# Altium PCB PCB1.PcbDoc (part 2 of 6) (continued)
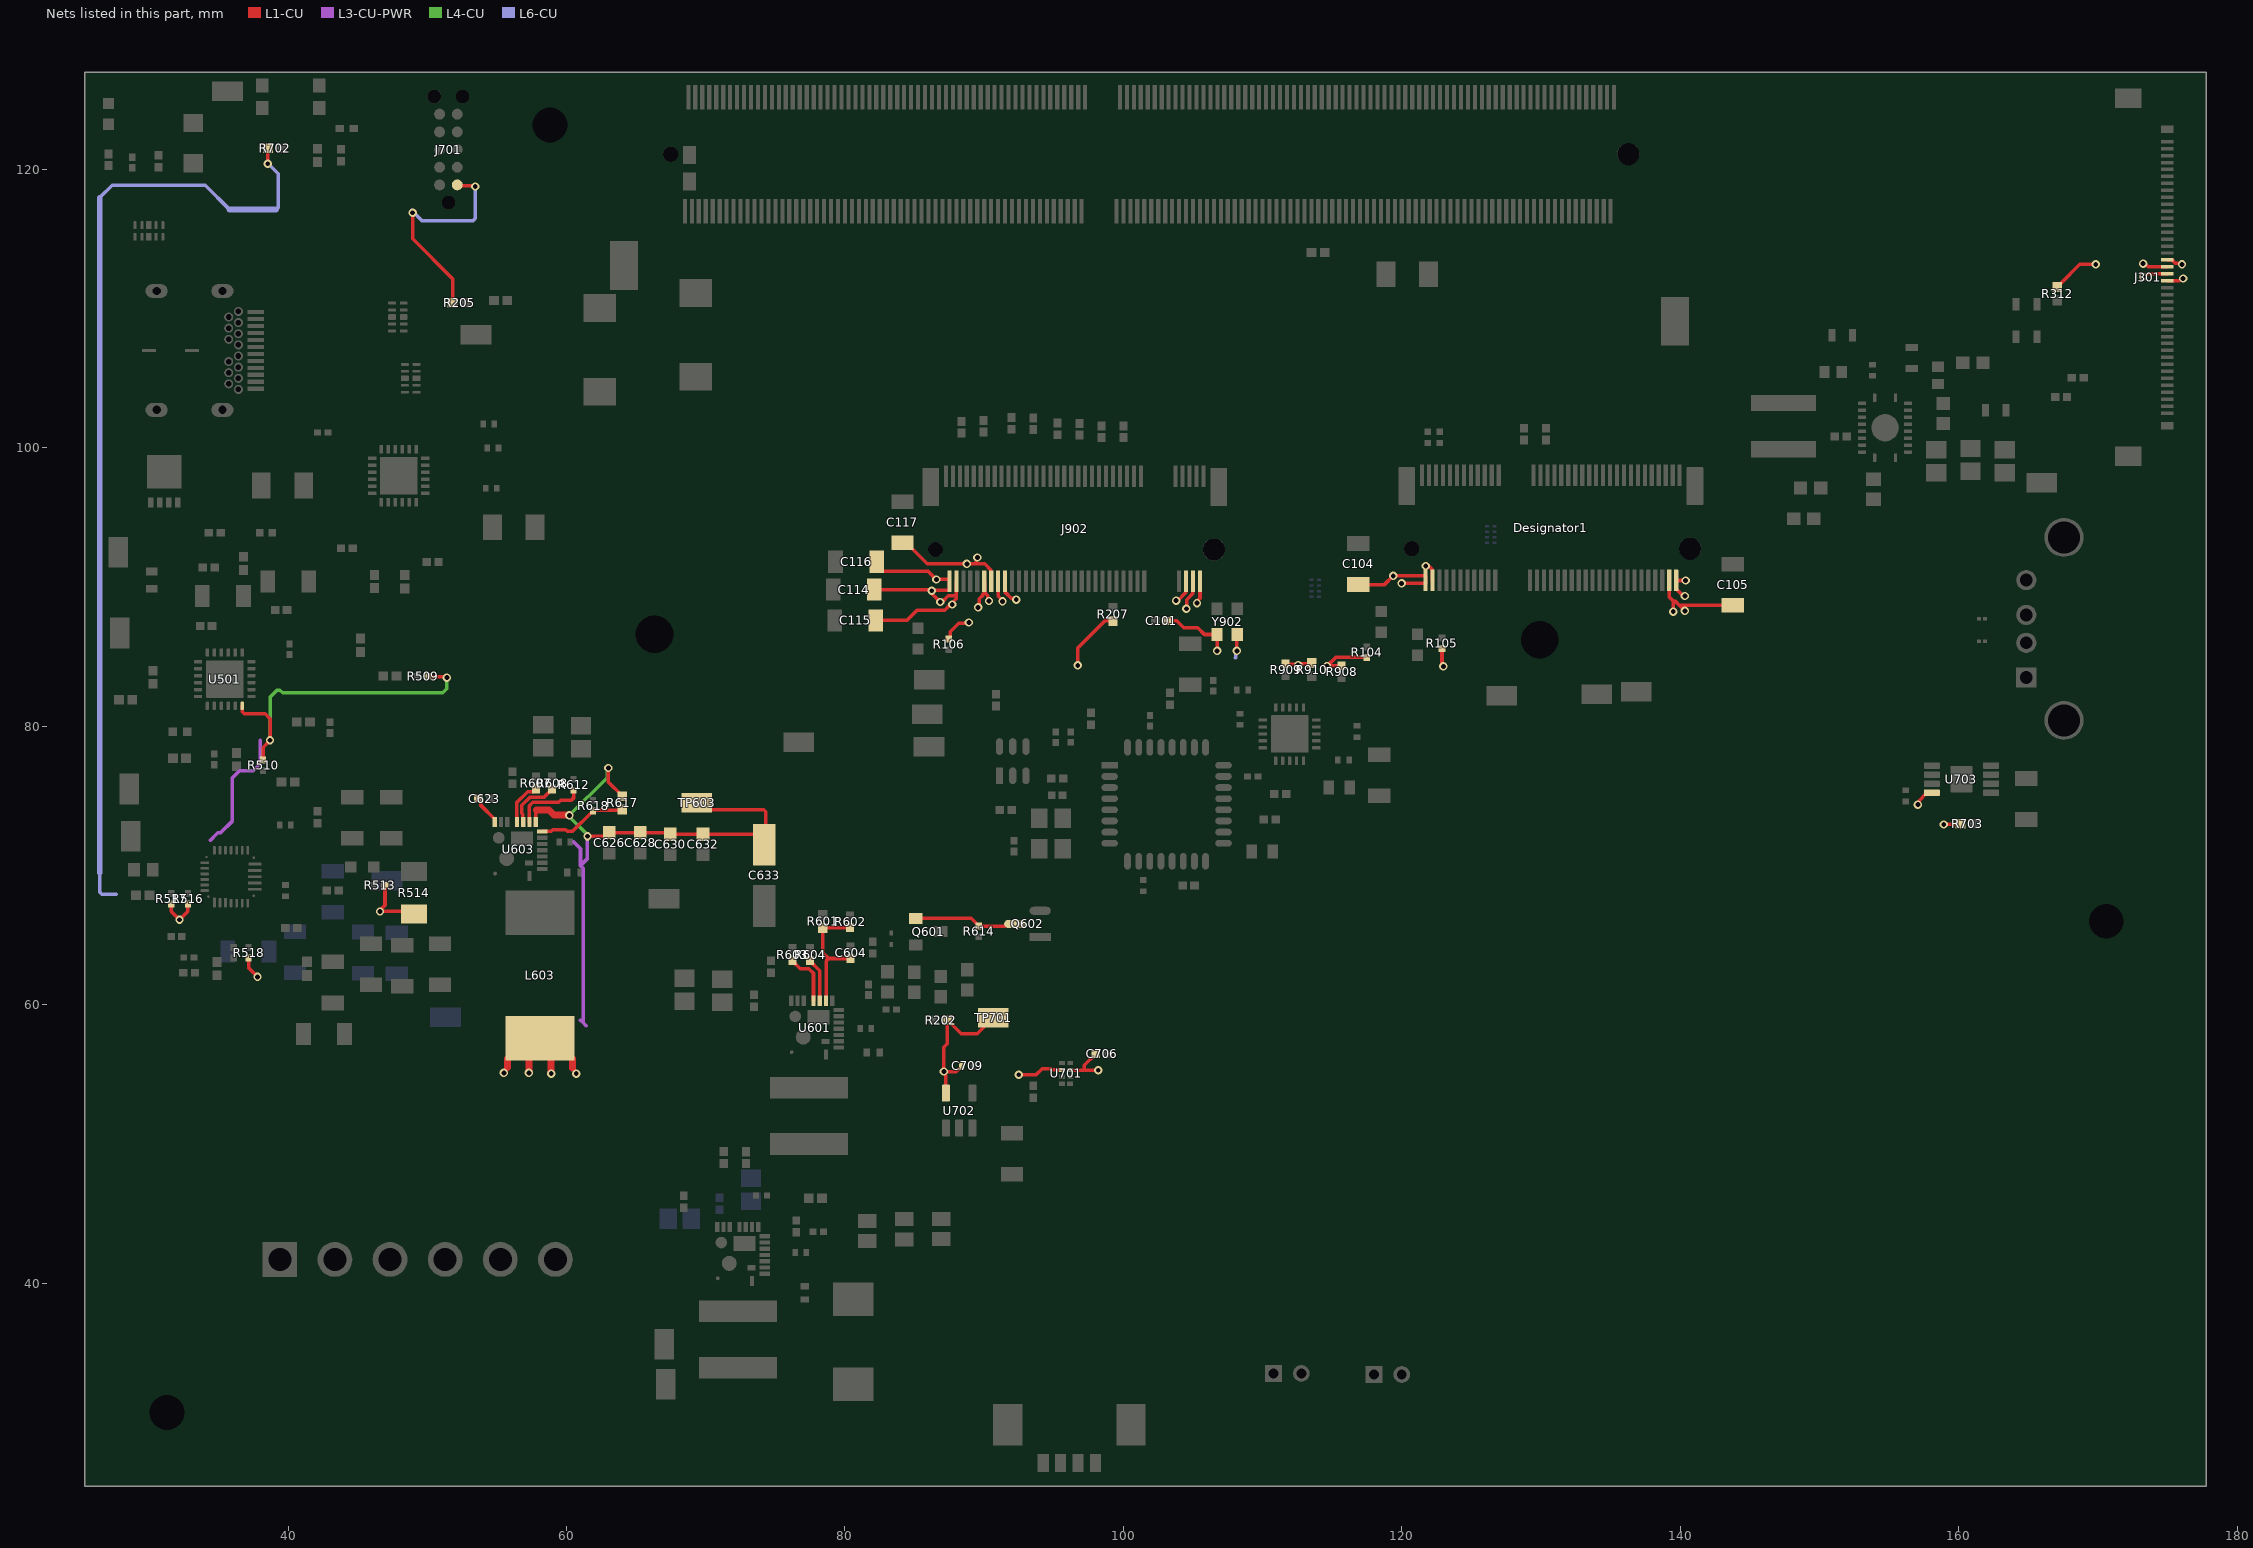
[diagram p8: the nets of this part, all layers, seen from the top]
## Part data (continued)
Q602: library part CMP-07173-000101-1, "MOSFET N-CH 50V 220MA SOT-23", Case/Package=SOT-23, Continuous Drain Current (ID)=220mA, Drain To Source Breakdown Voltage=50V, Drain To Source Resistance=3.5R, Gate to Source Voltage (Vgs)=20V, Input Capacitance=27pF, Max Operating Temperature=150°C, Max Power Dissipation=360mW, Min Operating Temperature=-55°C, On-State Resistance=6R, Package Quantity=1, Threshold Voltage=1.3V, Contact Plating=Tin, Current Rating=220mA, Drain to Source Voltage (Vdss)=50V, Dual Supply Voltage=50V, Element Configuration=Single, Fall Time=9ns, Height=0.93mm, Lead Free="Lead Free", Length=2.92mm, Mount="Surface Mount", Nominal Vgs=1.3V, Number of Elements=1, Number of Pins=3, Packaging="Tape and Reel", Power Dissipation=360mW, Radiation Hardening=No, Rds On Max=3.5R, REACH SVHC="No SVHC", Rise Time=9ns, Termination=SMD/SMT, Turn-Off Delay Time=20ns, Turn-On Delay Time=2.5ns, Voltage Rating (DC)=50V, Weight=0.03g, Width=1.3mm
R101 R102 R611 R612: library part CMP-2000-07451-1, "Chip Resistor, 0 Ohm, 0.1 W, -55 to 155 degC, 0402 (1005 Metric), RoHS, Tape and Reel", Case Code (Imperial)=0402, Case Code (Metric)=1005, Manufacturer=Panasonic, Max Operating Temperature=155degC, Max Power Dissipation=100mW, Min Operating Temperature=-55degC, Package Description="2-Pin Surface Mount Device, Body 1 x 0.5 mm", Package Quantity=1, Package Reference=402, Resistance=0mOhm, Temperature Coefficient=600ppm/��C, Tolerance=5%, Voltage Rating=50V, Case/Package=0402, Composition=ThickFilm, Contact Plating=Tin, Datasheet URL=https://industrial.panasonic.com/cdbs/www-data/pdf/RDA0000/AOA0000C301.pdf, Datasheet Version=03/2015, Depth=0.5mm, Height=0.35mm, Lead Free=LeadFree, Length=1mm, Manufacturer URL=http://www.panasonic.com/, Military Standard=Not, Mount=SurfaceMount, Mounting Technology=SurfaceMount, Number of Terminations=2, Packaging=TapeandReel, Power Rating=100mW, Radiation Hardening=No, REACH SVHC=NoSVHC, RoHSCompliant=True, Termination=SMD/SMT, Voltage Rating (DC)=50V, Width=0.02inch
R104 R105 R106: library part CMP-2002-04898-2, "Thick Film Chip Resistors 0402 200Ω 0.0625W 1% 100ppm/°C", Case Code (Imperial)=0402, Case Code (Metric)=1005, Max Operating Temperature=125°C, Max Power Dissipation=63mW, Min Operating Temperature=-55°C, Package Quantity=10000, Power Rating=62.5mW, Temperature Coefficient=100ppm/°C, Tolerance=1%, Voltage Rating=50V, Case/Package=0402, Composition="Thick Film", Contact Plating=Tin, Depth=0.5mm, Height=0.016inch, Length=1mm, Military Standard=Not, Mount="Surface Mount", Number of Terminations=2, Packaging="Tape and Reel", Radiation Hardening=No, Resistance=200R, Termination=SMD/SMT, Thickness=356um, Width=0.5mm
R201: library part CMP-26527-000122-1, "RES 0 OHM JUMPER 1/4W 0603", Case Code (Imperial)=0603, Case Code (Metric)=1608, Max Operating Temperature=155°C, Min Operating Temperature=-55°C, Package Quantity=5000, Resistance=0mR, Case/Package=0603, Height=0.021inch, Length=0.061inch, Mount="Surface Mount", Number of Terminations=2, Packaging="Tape and Reel", Radiation Hardening=No, RoHS Compliant=Yes, Termination=Wraparound, Width=0.031inch
R202 R205 R312 R404 R407 R501 R502 R512 R515 R702 R703 R910: library part CMP-2002-07913-2, "RES 100K OHM 5% 1/16W 0402", Case Code (Imperial)=0402, Case Code (Metric)=1005, Max Operating Temperature=155°C, Max Power Dissipation=63mW, Min Operating Temperature=-55°C, Package Quantity=1, Resistance=100kR, Resistance Tolerance=5%, Resistor Type="Thick Film", Temperature Coefficient=100ppm/°C, Voltage Rating=50V, Case/Package=0402, Construction=Rectangular, Depth=0.5mm, Features="Moisture Resistant", Height=0.016inch, Lead Free="Lead Free", Length=1mm, Military Standard=Not, Number of Terminations=2, Packaging="Tape and Reel", Power Rating=63mW, RoHS Compliant=Yes, Series=RC, Size Code=0402, Termination=SMD/SMT, Tolerance=5%, Width=0.02inch
R203 R204 R206 R402 R506 R507 R508 R521 R701: library part CMP-2002-07344-1, Manufacturer="Yageo / Phycomp", Part Number=RC0402FR-07100RL
R207: library part CMP-2002-07701-1, Manufacturer="Yageo / Phycomp", Part Number=RC0402FR-0747KL
R208 R403 R408 R514: library part CMP-2100-03616-1, "Chip Resistor, 1 KOhm, +/- 1%, 0.25 W, -55 to 155 degC, 1206 (3216 Metric), RoHS, Tape and Reel", Case Code (Imperial)=1206, Case Code (Metric)=3216, Manufacturer="Vishay Semiconductor", Max Operating Temperature=155degC, Max Power Dissipation=250mW, Min Operating Temperature=-55degC, Package Description="2-Pin Surface Mount Device, Body 3.15 x 1.6 mm", Package Quantity=10, Package Reference=1206.0, Resistance=1KOhm, Temperature Coefficient=100ppm/degreesC, Tolerance=1%, Voltage Rating=200V, Case/Package=1206, Composition=ThickFilm, Contact Plating=Tin, Datasheet URL=http://www.farnell.com/datasheets/1720486.pdf, Datasheet Version=41061.0, Depth=1.6mm, Height=0.55mm, Lead Free=LeadFree, Length=3.2mm, Manufacturer URL=http://www.vishay.com/, Military Standard=Not, Mount=SurfaceMount, Number of Pins=2, Number of Terminations=2, Packaging=TapeandReel, Power Rating=250mW, Radiation Hardening=No, REACH SVHC=Unknown, RoHSCompliant=true, Termination=SMD/SMT, Voltage Rating (DC)=200V, Weight=0.000353oz, Width=0.063inch
R301: library part CMP-2000-03218-2, "RES Thick Film, 301kΩ, 1%, 0.1W, 100ppm/°C, 0603", Case Code (Imperial)=0603, Case Code (Metric)=1608, Max Operating Temperature=155°C, Max Power Dissipation=100mW, Min Operating Temperature=-55°C, Package Quantity=10, Resistance=301kR, Temperature Coefficient=100ppm/°C, Tolerance=1%, Voltage Rating=75V, Case/Package=0603, Composition="Thick Film", Contact Plating=Tin, Depth=0.85mm, Features="Automotive AEC-Q200", Height=0.45mm, Lead Free="Lead Free", Length=1.55mm, Military Standard=Not, Mount="Surface Mount", Number of Pins=2, Number of Terminations=2, Packaging="Tape and Reel", Power Rating=100mW, Radiation Hardening=No, Termination=SMD/SMT, Voltage Rating (DC)=75V, Weight=7.1E-05oz, Width=0.033inch, Working Voltage=75V
R302 R304 R306 R313 R314: library part CMP-02407-011574-1, "RES SMD 100K OHM 1% 1/10W 0603", Case/Package=Molded, Max Operating Temperature=155°C, Min Operating Temperature=-55°C, Power Rating=100mW, Resistance=100kR, Resistor Type="Thick Film", Temperature Coefficient=100ppm/°C, Tolerance=1%, Contact Plating=Tin, Lead Free="Lead Free", Length=1.55mm, Mount="Surface Mount", RoHS Compliant=Yes, Termination=Wraparound
R303: library part CMP-2000-02961-2, "RES Thick Film, 18.2kΩ, 1%, 0.1W, 100ppm/°C, 0603", Case Code (Imperial)=0603, Case Code (Metric)=1608, Max Operating Temperature=155°C, Max Power Dissipation=100mW, Min Operating Temperature=-55°C, Package Quantity=10, Resistance=18.2kR, Temperature Coefficient=100ppm/°C, Tolerance=1%, Voltage Rating=75V, Case/Package=0603, Composition="Thick Film", Contact Plating=Tin, Depth=0.85mm, Features="Automotive AEC-Q200", Height=0.45mm, Lead Free="Lead Free", Length=1.55mm, Military Standard=Not, Number of Pins=2, Number of Terminations=2, Packaging="Tape and Reel", Power Rating=100mW, Radiation Hardening=No, Termination=SMD/SMT, Voltage Rating (DC)=75V, Weight=7.1E-05oz, Width=0.85mm, Working Voltage=75V
R305: library part CMP-1012-00834-2, "RES Thick Film, 732kΩ, 1%, 0.1W, 100ppm/°C, 0603", Case Code (Imperial)=0603, Case Code (Metric)=1608, Max Operating Temperature=155°C, Max Power Dissipation=100mW, Min Operating Temperature=-55°C, Package Quantity=10, Resistance=732kR, Temperature Coefficient=100ppm/°C, Tolerance=1%, Voltage Rating=75V, Case/Package=0603, Composition="Thick Film", Contact Plating=Tin, Depth=0.85mm, Features="Automotive AEC-Q200", Height=0.02inch, Length=1.55mm, Military Standard=Not, Number of Pins=2, Number of Terminations=2, Packaging="Tape and Reel", Power Rating=100mW, Radiation Hardening=No, Termination=SMD/SMT, Weight=7.1E-05oz, Width=0.033inch
R307 R308 R520 R613: library part CMP-1011-00001-2, Manufacturer="Yageo / Phycomp", Part Number=RC0402JR-070RL
R401 R509 R510 R513 R516 R517 R518 R519 R610 R614 R616 R618 R903 R904 R905: library part CMP-2002-07353-1, Manufacturer="Yageo / Phycomp", Part Number=RC0402FR-0710KL
R405: library part CMP-2002-07343-1, Manufacturer="Yageo / Phycomp", Part Number=RC0402FR-07100KL
R406: library part CMP-1011-00659-2, Manufacturer="Vishay Dale", Part Number=CRCW040222K0FKED
R409: library part CMP-2002-05217-1, Manufacturer=Bourns, Part Number=CR0402-FX-4701GLF
R410 R411: library part CMP-2002-07517-1, Manufacturer="Yageo / Phycomp", Part Number=RC0402FR-0722KL
R503: library part CMP-2002-07136-1, Manufacturer="Yageo / Phycomp", Part Number=RC0402FR-07649KL
R504: library part CMP-2002-08335-4, "RES Thick Film, 1.78MΩ, 1%, 0.063W, 100ppm/°C, 0402", Case Code (Imperial)=0402, Case Code (Metric)=1005, Max Operating Temperature=155°C, Max Power Dissipation=63mW, Min Operating Temperature=-55°C, Package Quantity=10000, Resistance=1.78MR, Temperature Coefficient=100ppm/°C, Tolerance=1%, Voltage Rating=50V, Case/Package=0402, Composition="Thick Film", Contact Plating=Tin, Depth=0.5mm, Features="Automotive AEC-Q200", Height=0.016inch, Lead Free="Lead Free", Length=1mm, Military Standard=Not, Number of Pins=2, Number of Terminations=2, Packaging="Tape and Reel", Power Rating=63mW, Radiation Hardening=No, Voltage Rating (DC)=50V, Weight=2.3E-05oz, Width=0.5mm
R505: library part CMP-1011-00786-2, Manufacturer=Yageo, Part Number=RC0402FR-07287KL
R511: library part CMP-2002-07655-1, Manufacturer=Yageo, Part Number=RC0402FR-073K57L
R522: library part CMP-06022-000003-3, "NTC Thermistor for Temperature Sensor, 0402, 10kΩ, 1%, 0.1mA, 5V", Case Code (Imperial)=0402, Case Code (Metric)=1005, Current Rating=310uA, Max Operating Temperature=125°C, Max Power Dissipation=100mW, Min Operating Temperature=-40°C, Package Quantity=10000, Resistance=10kR, Resistance Tolerance=1%, Case/Package=0402, Depth=0.5mm, Height=0.5mm, Lead Free="Lead Free", Length=1mm, Mount="Surface Mount", Number of Pins=2, Packaging="Tape and Reel", Power Rating=100mW, Radiation Hardening=No, REACH SVHC="No SVHC", RoHS Compliant=Yes, Series=NCP, Termination=SMD/SMT, Tolerance=1%
R523: library part CMP-2002-07025-1, Manufacturer="Yageo / Phycomp", Part Number=RC0402FR-0727KL
R601: library part CMP-1011-00655-3, "Thick Film Chip Resistors 0402 20kΩ 0.0625W 1% 100ppm/°C", Case Code (Imperial)=0402, Case Code (Metric)=1005, Max Operating Temperature=125°C, Min Operating Temperature=-55°C, Package Quantity=10000, Power Rating=62.5mW, Resistance=20kR, Temperature Coefficient=100ppm/°C, Tolerance=1%, Voltage Rating=50V, Case/Package=0402, Composition="Thick Film", Contact Plating=Tin, Depth=0.5mm, Height=0.35mm, Length=1mm, Military Standard=Not, Mount="Surface Mount", Packaging="Tape and Reel", Radiation Hardening=No, Termination=SMD/SMT, Thickness=356um, Width=0.5mm
R602 R908 R909: library part CMP-2002-05009-2, "Thick Film Chip Resistors 0402 2.7kΩ 0.0625W 1% 100ppm/°C", Case Code (Imperial)=0402, Case Code (Metric)=1005, Max Operating Temperature=125°C, Max Power Dissipation=63mW, Min Operating Temperature=-55°C, Package Quantity=10000, Power Rating=62.5mW, Resistance=2.7kR, Temperature Coefficient=100ppm/°C, Tolerance=1%, Voltage Rating=50V, Case/Package=0402, Composition="Thick Film", Contact Plating=Tin, Depth=0.5mm, Height=0.016inch, Length=1mm, Military Standard=Not, Mount="Surface Mount", Number of Terminations=2, Packaging="Tape and Reel", Radiation Hardening=No, Termination=SMD/SMT, Thickness=356um, Width=0.02inch
R603 R604 R605 R606 R607 R608: library part CMP-1011-00815-2, Manufacturer=Bourns, Part Number=CR0402-FX-4993GLF
R609: library part CMP-2002-05384-1, Manufacturer=Bourns, Part Number=CR0402-FX-7322GLF
R615: library part CMP-2002-07837-1, Manufacturer=Yageo, Part Number=RC0402FR-0790K9L
R617: library part CMP-2002-07692-1, Manufacturer="Yageo / Phycomp", Part Number=RC0402FR-0745K3L
R900 R902: library part CMP-2002-07055-1, Manufacturer="Yageo / Phycomp", Part Number=RC0402FR-0727RL
R906 R907: library part CMP-2000-03436-2, "RES Thick Film, 50Ω, 1%, 0.1W, 100ppm/°C, 0603", Case Code (Imperial)=0603, Case Code (Metric)=1608, Max Operating Temperature=155°C, Min Operating Temperature=-55°C, Package Quantity=5000, Power Rating=100mW, Resistance=50R, Temperature Coefficient=100ppm/°C, Tolerance=1%, Voltage Rating=75V, Case/Package=0603, Composition="Thick Film", Contact Plating=Tin, Depth=0.85mm, Height=0.45mm, Lead Free="Lead Free", Length=1.55mm, Military Standard=Not, Mount="Surface Mount", Number of Pins=2, Packaging="Tape and Reel", Radiation Hardening=No, REACH SVHC="No SVHC", Termination=SMD/SMT, Voltage Rating (DC)=75V, Weight=7.1E-05oz, Width=0.85mm
RN101: library part CMP-05421-000001-1, "RES ARRAY 4 RES ZERO OHM 0502", Manufacturer="Panasonic Electronic Components", Manufacturer Part Number=EXB-18VR000X, Number Of Resistors=4, Package=EXB-18V, Power Per Resistor=0.031W, Power Rating=0.1W, Resistance=0Ω, Temperature="-55°C to +125°C", Temperature Coefficient=-200/+600ppm/°C, Temperature Range High=+125°C, Temperature Range Low=-55°C, Tolerance=5%, Voltage Rating=12.5V, Automotive=No, Category=Res, ComponentLink2Description=Datasheet, ComponentLink2URL=https://industrial.panasonic.com/cdbs/www-data/pdf/AOC0000/AOC0000C14.pdf, Composition="Thick Film", Device Class L1="Passive Components", Device Class L2=Resistors, Device Class L3="Resistor Arrays", Digikey Description="RES ARRAY 4 RES ZERO OHM 0502", Footprint Url=https://industrial.panasonic.com/cdbs/www-data/pdf/AOC0000/AOC0000COL4.pdf, Height=0.45mm, Lead Free=Yes, Mouser Description="Resistor Networks & Arrays Resistor Array Chip 0502 4 Elements", Octopart=https://octopart.com/exb-18vr000x-panasonic-39836506, RoHS=TRUE, Series=EXB, Termination=Flat
RN104: library part CMP-05421-000001-1, "RES ARRAY 4 RES ZERO OHM 0502", Manufacturer="Panasonic Electronic Components", Number Of Resistors=4, Package=EXB-18V, Power Per Resistor=0.031W, Power Rating=0.1W, Resistance=0Ω, Temperature="-55°C to +125°C", Temperature Coefficient=-200/+600ppm/°C, Temperature Range High=+125°C, Temperature Range Low=-55°C, Tolerance=5%, Voltage Rating=12.5V, Automotive=No, Category=Res, ComponentLink2Description=Datasheet, ComponentLink2URL=https://industrial.panasonic.com/cdbs/www-data/pdf/AOC0000/AOC0000C14.pdf, Composition="Thick Film", Device Class L1="Passive Components", Device Class L2=Resistors, Device Class L3="Resistor Arrays", Digikey Description="RES ARRAY 4 RES ZERO OHM 0502", Footprint Url=https://industrial.panasonic.com/cdbs/www-data/pdf/AOC0000/AOC0000COL4.pdf, Height=0.45mm, Lead Free=Yes, Manufacturer Part Number=EXB-18VR000X, Mouser Description="Resistor Networks & Arrays Resistor Array Chip 0502 4 Elements", Octopart=https://octopart.com/exb-18vr000x-panasonic-39836506, RoHS=TRUE, Series=EXB, Termination=Flat
S701: library part CMP-016-00013-1, "Switch Tactile N.O. SPST Round Button Gull Wing 0.05A 32VDC 1VA 200000Cycle 1.2N SMD T/R", Case/Package=SMD/SMT, Max Operating Temperature=85°C, Min Operating Temperature=-40°C, Mounting Technology="Surface Mount"
U301: library part CMP-04918-000117-1, "IC REG BOOST ADJ 10A 20VQFN", Manufacturer="Texas Instruments", Max Junction Temp=+125°C, Max Supply Voltage=12V, Min Supply Voltage=2.7V, Nominal Supply Current=1-110uA, Output Current=10A, Output Voltage=4.5-12.6V, Package=RHL0020A, Switching Frequency=200-2200kHz, Temperature="-40°C to +85°C", Temperature Range High=+85°C, Temperature Range Low=-40°C, Automotive=No, Category=IC, ComponentLink2Description=Datasheet, ComponentLink2URL=http://www.ti.com/lit/ds/symlink/tps61088.pdf, Device Class L1="Integrated Circuits (ICs)", Device Class L2="Power Management ICs", Device Class L3="Voltage Regulators - Switching", Digikey Description="IC REG BOOST ADJ 10A 20VQFN", Height=1mm, Lead Free=Yes, Manufacturer Part Number=TPS61088RHLT, Max Duty Cycle=90%, Number Of Outputs=1, Octopart=https://octopart.com/tps61088rhlt-texas+instruments-57155059, Output Type=AdjustableProgrammable, RoHS=TRUE, Switching Topology=Boost
U401: library part CMP-12113-000003-3, "4.1V~22V USB 2.0 I2C Controllers Interface ICs STUSB45 Controller 24-VFQFN Exposed Pad", Ambient Temperature Range High=105°C, Max Junction Temperature (Tj)=145°C, Max Supply Voltage=22V, Min Operating Temperature=-40°C, Min Supply Voltage=3V, Height=1mm, Interface="I2C, USB", Lifecycle Status=Production, Max Operating Temperature=105°C, Number of Ports=1, Schedule B="8542390000, 8542390000", USB Standard="USB 2.0"
U402 U403 U404: library part CMP-04985-000004-1, "TVS DIODE 5.5V 14V 10USON", Ambient Temperature Range High=+125°C, Ambient Temperature Range Low=-40°C, Breakdown Voltage=6.4V, Capacitance=0.5pF, Clamping Voltage=14V, Manufacturer="Texas Instruments", Operating Supply Voltage=5.5V, Package=DQA0010A, Peak Pulse Current=2.5A, Peak Pulse Power=2.5W, Temperature="-40°C to +125°C", Automotive=Yes, Automotive Grade="Grade 1", Category=IC, ComponentLink2Description=Datasheet, ComponentLink2URL=http://www.ti.com/lit/ds/symlink/tpd4e05u06-q1.pdf, Device Class L1="Circuit Protection", Device Class L2="ESD and Circuit Protection ICs", Device Class L3=unset, Digikey Description="TVS DIODE 5.5V 14V 10USON", Direction=Unidirectional, Height=0.55mm, Interface=USB,Ethernet,LVDS,Other, Lead Free=Yes, Manufacturer Part Number=TPD4E05U06QDQARQ1, Mouser Description="Automotive 4-Channel ESD Protection Solution for SuperSpeed (up to 5 Gbps) Interface 10-USON -40 to 125", Number of Channels=4, Octopart=https://octopart.com/tpd4e05u06qdqarq1-texas+instruments-48523459, Reverse Standoff Voltage=5.5V, RoHS=TRUE, Standoff Height=0mm, Temperature Range High=+125°C, Temperature Range Low=-40°C
U501: library part CMP-04910-000050-1, "POWER MANAGEMENT", RoHS Compliant=Yes
U502: library part CMP-04911-000031-1, "I2C CONTROLLED, 5-A, 1-4 CELL BU", RoHS Compliant=Yes
U601 U602 U603: library part CMP-00030-87948104-1, "SIC431AED-T1-GE3 IC Reg Buck Adj 24A MLP44-24", Ambient Temperature Range High=105°C, Max Junction Temperature (Tj)=125°C, Max Supply Voltage=24V, Min Operating Temperature=-40°C, Min Supply Voltage=3V, Output Current=24A, Output Voltage=20V, Height=800µm, Max Operating Temperature=125°C, NexarPartId=87948104, Number Of Outputs=1, RoHS=Non-Compliant, Schedule B="8542390000, 8542390000"
U701: library part CMP-015-00011-1, "Line Transceiver, PDSO8, 1 X 1.95 Mm, 0.50 Mm Height, Plastic, MO-252, SOT833-1, SON-8", Max Operating Temperature=125°C, Max Supply Voltage=3.6V, Min Operating Temperature=-40°C, Min Supply Voltage=1.65V, Mounting Technology=Standard, Pins=8
U702: library part CMP-019-00049-1, "200mA, ultra-low-IQ, high-accuracy, low-dropout voltage regulator with enable 5-SOT-23 -40 to 125", Case/Package=SOT-23, Output Voltage=1.8V, Pins=5
U703: library part CMP-0337-00296-2, "Single Channel, Current-Limited USB Power Distribution Switch, 2.9 A Current Limit, -40 to 85 degC, 8-pin MSOP-PowerPAD (DGN), Green (RoHS & no Sb/Br)", Continuous Current(Max)(A)=2, Current Limit(A)=2.9, Manufacturer="Texas Instruments", Rating=Catalog, Code_JEDEC=MO-187-AA-T, ComponentLink1Description=Datasheet, ComponentLink1URL=http://www.ti.com/general/docs/lit/getliterature.tsp?genericPartNumber=TPS2001C&fileType=pdf, DatasheetVersion=SLVSAU6E, Discharge Function=TRUE, Eco-Plan="Green (RoHS & no Sb/Br)", Enable="Active High", Mounting Technology="Surface Mount", Number of Switches=1, PackageDescription="8-Pin PowerPAD Plastic Small Outline Package 3 x 3 mm Body ,0.65 mm Pitch, Exposed Pad", PackageReference=DGN0008D, PackageVersion="revF, May-2011", PartNumber=TPS2001CDGNR, rDS(on) per FET(Typ)(mOhms)=70, UL Listed=TRUE, Vin(Max)(V)=5.5, Vin(Min)(V)=4.5
U901: library part CMP-04910-000092-1, "IC PWR SWITCH N-CHAN 1:1 SOT23-6", Case/Package=SOT-23-6, Max Operating Temperature=105°C, Max Output Current=2A, Min Operating Temperature=-40°C, Interface=On/Off, Lead Free="Lead Free", Number of Channels=1, Number Of Outputs=1, Output Configuration="High Side", Packaging="Tape and Reel", RoHS Compliant=Yes
U902: library part CMP-04873-000003-1, "IC STEREO AUD CODEC W/USB 32TQFP", Case/Package=TQFP, Max Operating Temperature=85°C, Max Supply Voltage=5.25V, Min Operating Temperature=-25°C, Min Supply Voltage=3V, Operating Supply Voltage=5V, Package Quantity=1000, Contact Plating=Gold, Interface=USB, Lead Free="Lead Free", Mount="Surface Mount", Number of A/D Converters=1, Number of ADC Channels=1, Number of Analog Inputs=1, Number of Analog Outputs=2, Number of D/A Converters=1, Number of DAC Channels=2, Number of Pins=32, Packaging="Tape and Reel", Radiation Hardening=No, Resolution=16b, RoHS Compliant=Yes, Sampling Rate=48KS/s, Series=-, Signal to Noise Ratio (SNR)=92dB, Type="General Purpose"
U903: library part CMP-0991-00197-2, "2.8-W/Ch Stereo Class-D Audio Amplifier with SmartGainTM AGC / DRC, -40 to 85 degC, 20-pin QFN (RTJ20), Green (RoHS & no Sb/Br)", Manufacturer="Texas Instruments", Output Power(W)=2.8, Supply Max(Max)(Volt)=5.5, Supply Min(Min)(Volt)=2.5, ComponentLink1Description="Manufacturer URL", ComponentLink1URL=http://www.ti.com/, ComponentLink2Description=Datasheet, ComponentLink2URL=http://www.ti.com/general/docs/lit/getliterature.tsp?genericPartNumber=TPA2016D2&fileType=pdf, ComponentLink3Description="Package Specification", ComponentLink3URL=http://www.ti.com/litv/pdf/mpqf156e, DatasheetVersion=SLOS524D, Eco-Plan="Green (RoHS & no Sb/Br)", Mounting Technology="Surface Mount", PackageDescription="20-pin Plastic Flat Pack, Body 4 x 4 mm, Pitch 0.5 mm", PackageReference=RTJ0020D, PackageVersion="4205505/F, 07/2011", PartNumber=TPA2016D2RTJT, PSRR(dB)=-80, Speaker Amp Type=Class-D, Speaker Channels=Stereo, Special Features=AGC/DRC, SubFamily="Dynamic Speaker"
Y901: library part CMP-18717-000311-1, "Crystal 12MHz, 10ppm, 10pF, 80Ω", Case/Package=SMD/SMT, ESR (Equivalent Series Resistance)=100R, Frequency=12MHz, Frequency Stability=10ppm, Load Capacitance=10pF, Max Operating Temperature=70°C, Min Operating Temperature=-20°C, Package Quantity=3000, Depth=2.5mm, Frequency Tolerance=10ppm, Height=0.031inch, Length=3.2mm, Mount="Surface Mount", Number of Pins=4, Packaging="Tape and Reel", REACH SVHC="No SVHC", RoHS Compliant=Yes, Series=7M, Termination=SMD/SMT, Tolerance=10ppm, Width=0.098inch
Y902: library part CMP-00023-00003-1, "Oscillator, 32.768kHz, CMOS, SMD, 2.5mm x 2mm, 3.6V, 25ppm, MultiVolt ECS-327MVATX Series", Frequency=32.768kHz, Max Operating Temperature=85°C, Min Operating Temperature=-40°C, Mounting Technology="Surface Mount"

## Free pads (board coordinates)
  rect 0.3x1.75 smd paste+0 mask+0: 1(135.25,125.2) 2(135,117) 3(134.75,125.2) 4(134.5,117) 5(134.25,125.2) 6(134,117) 7(133.75,125.2) 8(133.5,117) 9(133.25,125.2) 10(133,117) 11(132.75,125.2) 12(132.5,117) 13(132.25,125.2) 14(132,117) 15(131.75,125.2) 16(131.5,117) 17(131.25,125.2) 18(131,117) 19(130.75,125.2) 20(130.5,117) 21(130.25,125.2) 22(130,117) 23(129.75,125.2) 24(129.5,117) 25(129.25,125.2) 26(129,117) 27(128.75,125.2) 28(128.5,117) 29(128.25,125.2) 30(128,117) 31(127.75,125.2) 32(127.5,117) 33(127.25,125.2) 34(127,117) 35(126.75,125.2) 36(126.5,117) 37(126.25,125.2) 38(126,117) 39(125.75,125.2) 40(125.5,117) 41(125.25,125.2) 42(125,117) 43(124.75,125.2) 44(124.5,117) 45(124.25,125.2) 46(124,117) 47(123.75,125.2) 48(123.5,117) 49(123.25,125.2) 50(123,117) 51(122.75,125.2) 52(122.5,117) 53(122.25,125.2) 54(122,117) 55(121.75,125.2) 56(121.5,117) 57(121.25,125.2) 58(121,117) 59(120.75,125.2) 60(120.5,117) 61(120.25,125.2) 62(120,117) 63(119.75,125.2) 64(119.5,117) 65(119.25,125.2) 66(119,117) 67(118.75,125.2) 68(118.5,117) 69(118.25,125.2) 70(118,117) 71(117.75,125.2) 72(117.5,117) 73(117.25,125.2) 74(117,117) 75(116.75,125.2) 76(116.5,117) 77(116.25,125.2) 78(116,117) 79(115.75,125.2) 80(115.5,117) 81(115.25,125.2) 82(115,117) 83(114.75,125.2) 84(114.5,117) 85(114.25,125.2) 86(114,117) 87(113.75,125.2) 88(113.5,117) 89(113.25,125.2) 90(113,117) 91(112.75,125.2) 92(112.5,117) 93(112.25,125.2) 94(112,117) 95(111.75,125.2) 96(111.5,117) 97(111.25,125.2) 98(111,117) 99(110.75,125.2) 100(110.5,117) 101(110.25,125.2) 102(110,117) 103(109.75,125.2) 104(109.5,117) 105(109.25,125.2) 106(109,117) 107(108.75,125.2) 108(108.5,117) 109(108.25,125.2) 110(108,117) 111(107.75,125.2) 112(107.5,117) 113(107.25,125.2) 114(107,117) 115(106.75,125.2) 116(106.5,117) 117(106.25,125.2) 118(106,117) 119(105.75,125.2) 120(105.5,117) 121(105.25,125.2) 122(105,117) 123(104.75,125.2) 124(104.5,117) 125(104.25,125.2) 126(104,117) 127(103.75,125.2) 128(103.5,117) 129(103.25,125.2) 130(103,117) 131(102.75,125.2) 132(102.5,117) 133(102.25,125.2) 134(102,117) 135(101.75,125.2) 136(101.5,117) 137(101.25,125.2) 138(101,117) 139(100.75,125.2) 140(100.5,117) 141(100.25,125.2) 142(100,117) 143(99.75,125.2) 144(99.5,117) 145(97.25,125.2) 146(97,117) 147(96.75,125.2) 148(96.5,117) 149(96.25,125.2) 150(96,117) 151(95.75,125.2) 152(95.5,117) 153(95.25,125.2) 154(95,117) 155(94.75,125.2) 156(94.5,117) 157(94.25,125.2) 158(94,117) 159(93.75,125.2) 160(93.5,117) 161(93.25,125.2) 162(93,117) 163(92.75,125.2) 164(92.5,117) 165(92.25,125.2) 166(92,117) 167(91.75,125.2) 168(91.5,117) 169(91.25,125.2) 170(91,117) 171(90.75,125.2) 172(90.5,117) 173(90.25,125.2) 174(90,117) 175(89.75,125.2) 176(89.5,117) 177(89.25,125.2) 178(89,117) 179(88.75,125.2) 180(88.5,117) 181(88.25,125.2) 182(88,117) 183(87.75,125.2) 184(87.5,117) 185(87.25,125.2) 186(87,117) 187(86.75,125.2) 188(86.5,117) 189(86.25,125.2) 190(86,117) 191(85.75,125.2) 192(85.5,117) 193(85.25,125.2) 194(85,117) 195(84.75,125.2) 196(84.5,117) 197(84.25,125.2) 198(84,117) 199(83.75,125.2) 200(83.5,117) 201(83.25,125.2) 202(83,117) 203(82.75,125.2) 204(82.5,117) 205(82.25,125.2) 206(82,117) 207(81.75,125.2) 208(81.5,117) 209(81.25,125.2) 210(81,117) 211(80.75,125.2) 212(80.5,117) 213(80.25,125.2) 214(80,117) 215(79.75,125.2) 216(79.5,117) 217(79.25,125.2) 218(79,117) 219(78.75,125.2) 220(78.5,117) 221(78.25,125.2) 222(78,117) 223(77.75,125.2) 224(77.5,117) 225(77.25,125.2) 226(77,117) 227(76.75,125.2) 228(76.5,117) 229(76.25,125.2) 230(76,117) 231(75.75,125.2) 232(75.5,117) 233(75.25,125.2) 234(75,117) 235(74.75,125.2) 236(74.5,117) 237(74.25,125.2) 238(74,117) 239(73.75,125.2) 240(73.5,117) 241(73.25,125.2) 242(73,117) 243(72.75,125.2) 244(72.5,117) 245(72.25,125.2) 246(72,117) 247(71.75,125.2) 248(71.5,117) 249(71.25,125.2) 250(71,117) 251(70.75,125.2) 252(70.5,117) 253(70.25,125.2) 254(70,117) 255(69.75,125.2) 256(69.5,117) 257(69.25,125.2) 258(69,117) 259(68.75,125.2) 260(68.5,117)
  round 1.524 hole 2.5 unplated mask+0.1: 4(170.6,66) 5(31.3,30.7) 6(58.8,123.2)
  rect 2x3.5 smd paste+0 mask+0: 261(64.125,113.1) 262(139.625,109.1)
  round 1.524 hole 2.7 unplated mask+0.1: MH1(66.319,86.614) MH2(129.921,86.208)
  round 1.1 hole 1.1 unplated paste-2539.97 mask+0: ""(67.475,121.1)
  round 1.6 hole 1.6 unplated paste-2539.97 mask+0: ""(136.275,121.1)

## Via types
v1: diameter 0.6, hole 0.35, L1-CU to L8-CU, 685 vias

## Nets (pads, with @x,y where several pads share a name; then routed paths per layer and width w, separated by ;. In a path a pad name is that pad's centre, name@x,y a point inside that pad or via, vN(x,y) a via of type N, cw(c..) or ccw(c..) an arc to the next point about the centre after c; other vN are vias at no path point)
1V8_LDO: C706.2 C709.1 J701.1 R202.2 R205.2 R702.2 TP701.1 U701.3 U701.6 U702.5 | length 104.4
  L1-CU w0.254: v1(38.532,120.408) 38.544,120.42 38.544,121.513 R702.2@38.557,121.525 ; v1(48.946,116.891) 48.946,115.011 51.821,112.136 R205.2@51.821,110.436 ; 52.578,118.821 52.22,118.821 52.208,118.833 53.383,118.833 v1(53.442,118.774) ; U702.5@87.25,53.655 87.25,54.926 87.1,55.076 v1(87.1,55.2) ; C709.1@88.4,55.6 88.4,55.55 88.327,55.477 88.277,55.477 88,55.2 v1(87.1,55.2) ; TP701.1@90.8,59.2 TP701.1@90.65,59.05 89.512,57.912 88.345,57.912 87.588,58.669 87.588,58.691 87.379,58.9 R202.2@87.357,58.9 87.357,57.207 87.1,56.95 v1(87.1,55.2) ; v1(92.481,54.966) 93.726,54.966 94.158,55.397 94.806,55.397 94.887,55.317 U701.6@95.59,55.317 ; U701.3@96.18,55.317 96.191,55.307 97.188,55.307 ; C706.2@98.019,56.464 97.997,56.464 97.188,55.655 97.188,55.307 ; v1(98.196,55.296) 98.186,55.307 97.188,55.307
  L6-CU w0.254: 26.467,69.467 26.467,68.094 26.616,67.945 27.635,67.945 ; 26.467,117.983 27.356,118.872 34.036,118.872 35.789,117.119 ; v1@38.532,120.447 39.281,119.698 39.281,117.268 39.132,117.119 ; v1@48.87,117.069 49.606,116.332 53.293,116.332 53.442,116.481 v1(53.442,118.774)
  L6-CU w0.4: 26.467,69.467 26.467,117.983
  L6-CU w0.45: 35.789,117.119 39.132,117.119
3V3_EN: R612.2 U603.19 | length 5.1
  L1-CU w0.254: U603.19@57.338,73.113 57.315,73.136 57.315,74.271 57.577,74.534 59.434,74.534 59.6,74.7 60.351,74.7 60.5,74.849 R612.2@60.5,75.4
3V3_FB: R617.1 R618.2 U603.17 | length 6.5
  L1-CU w0.254: U603.17@58.25,72.45 58.887,72.45 59.001,72.564 59.932,72.564 60.046,72.45 60.425,72.45 61.777,73.802 61.802,73.802 61.9,73.9 R618.2@61.9,73.925 61.95,73.975 63.95,73.975 R617.1@64,74.025
3V3_M2: C101.2 C104.1 C105.1 C114.1 C115.1 C116.1 C117.1 C626.1 C628.1 C630.1 C632.1 C633.2 Designator1.2 Designator1.4 Designator1.72 Designator1.74 J301.18 J301.19 J301.20 J301.21 J902.2 J902.4 J902.12 J902.14 J902.16 J902.18 J902.70 J902.72 J902.74 L603.2 R104.2 R105.2 R106.1 R207.2 R312.2 R509.2 R510.2 R513.1 R514.2 R516.1 R517.1 R518.1 R617.2 R703.1 R908.2 R909.2 R910.1 TP603.1 U501.12 U603.18 U703.4 Y902.1 Y902.4 | length 194.1
  L1-CU w0.254: R517.1@31.6,67.25 31.6,66.7 v1(32.2,66.1) 32.8,66.7 R516.1@32.8,67.25 ; U501.12@36.7,81.475 36.7,81.049 36.849,80.9 38.351,80.9 38.7,80.551 v1(38.7,79) 38.2,78.5 R510.2@38.2,77.575 ; R518.1@37.155,63.351 37.155,62.645 v1(37.8,62) ; R513.1@46.958,68.596 46.958,67.151 46.6,66.794 v1(46.6,66.7) 49.175,66.7 R514.2@49.2,66.675 ; R509.2@50.05,83.6 50.1,83.55 51.35,83.55 v1(51.4,83.5) ; v1(55.492,55.104) 55.492,55.227 55.74,55.475 ; L603.2@57.292,56.797 L603.2@58.09,57.594 L603.2@58.898,56.786 ; U603.18@57.788,73.113 57.788,73.966 57.821,74 ; 60.439,55.436 60.698,55.177 v1(60.698,55.053) ; v1(61.5,72.1) 62.789,72.1 C626.1@63.056,72.367 C628.1@65.292,72.367 67.342,72.367 C630.1@67.458,72.251 69.797,72.251 C632.1@69.8,72.254 73.527,72.254 74.2,71.581 C633.2@74.2,71.5 74.3,71.6 74.3,73.851 74.151,74 69.861,74 TP603.1@69.349,74.512 ; v1(63,77) 63,76 64,75 R617.2@64,74.975 ; C114.1@82.11,89.821 85.947,89.821 v1(86.843,88.925) 86.966,88.925 87.413,89.372 87.916,89.372 88.003,89.459 ; C115.1@82.22,87.605 84.438,87.605 85.175,88.341 87.176,88.341 87.582,88.748 v1(87.706,88.748) 87.706,88.871 88.003,89.168 88.003,89.459 ; C116.1@82.271,91.821 82.271,91.546 82.669,91.148 85.966,91.148 v1(86.563,90.551) 87.48,90.551 87.503,90.528 J902.2@87.503,90.421 87.503,89.796 87.48,89.773 86.268,89.773 v1(86.233,89.738) ; C117.1@84.125,93.193 84.4,93.193 85.921,91.671 v1(88.753,91.671) 89.397,91.671 ; R106.1@87.452,86.281 87.561,86.391 87.561,86.799 88.163,87.401 88.849,87.401 v1(88.9,87.452) ; J902.4@88.003,90.421 88.003,89.459 ; v1(89.51,92.126) 89.422,92.038 89.422,91.697 89.397,91.671 ; v1(89.56,88.544) 89.648,88.632 89.648,89.156 89.888,89.395 89.888,89.472 90.026,89.61 ; J902.12@90.003,90.421 90.026,90.398 90.026,89.61 ; v1(90.348,89.002) 90.26,89.089 90.26,89.375 90.026,89.61 ; J902.14@90.503,90.421 90.48,90.444 90.48,91.232 90.041,91.671 89.397,91.671 ; J902.16@91.003,90.421 91.003,89.336 91.313,89.026 v1(91.313,88.976) ; J902.18@91.503,90.421 91.526,90.398 91.526,89.61 91.944,89.191 92.216,89.191 v1(92.304,89.103) ; v1(96.723,84.379) 96.723,85.623 98.669,87.569 R207.2@99.238,87.569 ; C101.2@103.13,87.579 103.84,87.579 104.332,87.087 105.337,87.087 105.829,86.595 Y902.4@106.726,86.595 106.731,86.591 v1(106.731,85.42) ; v1(103.784,89.027) 103.897,89.027 104.48,89.61 104.48,90.398 J902.70@104.503,90.421 ; v1(104.521,88.443) 104.542,88.464 104.542,89.099 104.98,89.536 104.98,90.398 J902.72@105.003,90.421 ; v1(105.283,88.849) 105.283,88.973 105.503,89.192 J902.74@105.503,90.421 ; v1(108.153,85.42) 108.153,86.572 Y902.1@108.176,86.595 ; R909.2@111.658,84.503 111.708,84.453 112.498,84.453 v1(112.547,84.404) 112.622,84.478 113.461,84.478 R910.1@113.535,84.553 ; R908.2@115.672,84.35 115.661,84.339 114.641,84.339 v1(114.63,84.328) 115.247,84.945 R104.2@117.487,84.945 ; C104.1@116.874,90.185 118.76,90.185 v1(119.38,90.805) 121.685,90.805 121.708,90.782 Designator1.2@121.708,90.484 121.708,90.295 121.685,90.272 v1(119.99,90.272) ; v1(121.717,91.516) 121.928,91.516 122.185,91.26 122.185,90.507 Designator1.4@122.208,90.484 ; R105.2@122.885,85.598 122.885,84.528 122.987,84.426 v1(122.987,84.303) ; Designator1.72@139.208,90.484 139.208,89.288 139.497,88.998 ; v1(139.497,88.24) 139.497,88.998 ; v1(140.335,88.29) 139.932,88.693 ; v1(140.335,89.357) 140.248,89.445 140.122,89.445 139.708,89.859 Designator1.74@139.708,90.484 139.717,90.475 v1(140.386,90.475) ; C105.1@143.764,88.693 139.932,88.693 ; v1(157.074,74.371) 157.161,74.459 157.161,74.661 157.682,75.182 U703.4@158.032,75.182 ; v1(158.928,72.949) 158.953,72.974 160.117,72.974 R703.1@160.143,73 ; R312.2@167.081,111.557 167.081,111.578 167.29,111.787 167.312,111.787 168.707,113.182 v1(169.85,113.182) ; v1(173.253,112.293) 173.377,112.293 173.584,112.5 J301.20@175,112.5 ; v1(173.253,113.233) 173.377,113.233 173.61,113 J301.19@175,113 ; J301.21@175,112 175.833,112 176,112.166 v1(176.124,112.166) ; J301.18@175,113.5 175.321,113.5 175.551,113.27 175.96,113.27 v1(176.047,113.182) ; 139.497,88.998 139.627,88.998 139.932,88.693
  L1-CU w0.5: 55.74,55.475 L603.2@55.74,56.134 ; v1(57.292,55.104) L603.2@57.292,56.797 ; 57.821,74 58.743,74 59.102,73.64 60.16,73.64 v1(60.2,73.6) ; v1(58.898,55.053) L603.2@58.898,56.786 ; 60.439,55.436 L603.2@60.439,56.134
  L3-CU-PWR w0.254: 34.4,71.8 34.943,72.343 35.143,72.343 36,73.2 36,76.3 36.5,76.8 37.5,76.8 38,77.3 38,79 ; 60.2,58.5 60.213,58.513 ; 60.5,71.7 61,71.2 61,70 ; 61,58.9 61.2,58.7 ; 61.4,58.5 61.2,58.7 ; v1(61.5,72.1) 61.5,70.5 61,70 ; 61,70 61.2,69.8 61.2,58.7
  L4-CU w0.254: v1(38.7,79) 38.7,82.1 39.195,82.595 39.405,82.595 39.6,82.4 51.1,82.4 51.4,82.7 v1(51.4,83.5) ; v1(61.5,72.1) 61.5,72.2 60.2,73.5 v1(60.2,73.6) 62.913,76.313 62.913,76.913 v1(63,77)
  L6-CU w0.254: 108.052,84.938 108.066,84.952 108.066,85.333 v1(108.153,85.42)
3V3_MODE1: R607.2 U603.21 | length 3.2
  L1-CU w0.254: U603.21@56.438,73.113 56.415,73.136 56.415,73.597 56.408,73.604 56.408,74.508 57.202,75.302 57.627,75.302 57.8,75.475 R607.2@57.8,75.5
3V3_MODE2: R608.2 U603.20 | length 3.9
  L1-CU w0.254: U603.20@56.888,73.113 56.865,73.136 56.865,73.69 56.792,73.763 56.792,74.325 57.384,74.918 58.397,74.918 58.954,75.475 R608.2@58.954,75.5
3V3_PHASE: C623.2 U603.24 | length 2.2
  L1-CU w0.254: C623.2@53.671,74.8 53.693,74.8 53.852,74.641 53.852,74.31 54.838,73.325 U603.24@54.838,73.113
5V_EN: C604.1 R601.1 R602.2 U601.19 | length 9
  L1-CU w0.254: U601.19@78.638,60.286 78.638,63.138 78.822,63.322 ; R602.2@80.376,65.548 80.352,65.524 78.424,65.524 R601.1@78.4,65.5 78.4,63.743 78.822,63.322 ; C604.1@80.405,63.322 78.822,63.322
5V_GATE: Q601.1 Q602.3 R614.1 | length 7.4
  L1-CU w0.254: Q601.1@85.1,66.2 89.075,66.2 89.6,65.675 R614.1@89.6,65.65 91.489,65.65 91.639,65.8 Q602.3@92.2,65.8
5V_MODE1: R603.2 U601.21 | length 3.9
  L1-CU w0.254: R603.2@76.227,63.171 76.227,63.146 76.784,62.589 77.4,62.589 77.738,62.251 U601.21@77.738,60.286
5V_MODE2: R604.2 U601.20 | length 3.2
  L1-CU w0.254: R604.2@77.487,63.171 77.487,63.146 78.188,62.446 U601.20@78.188,60.286